# KiCad board RadCheck-SDRAM.kicad_pcb (continued)
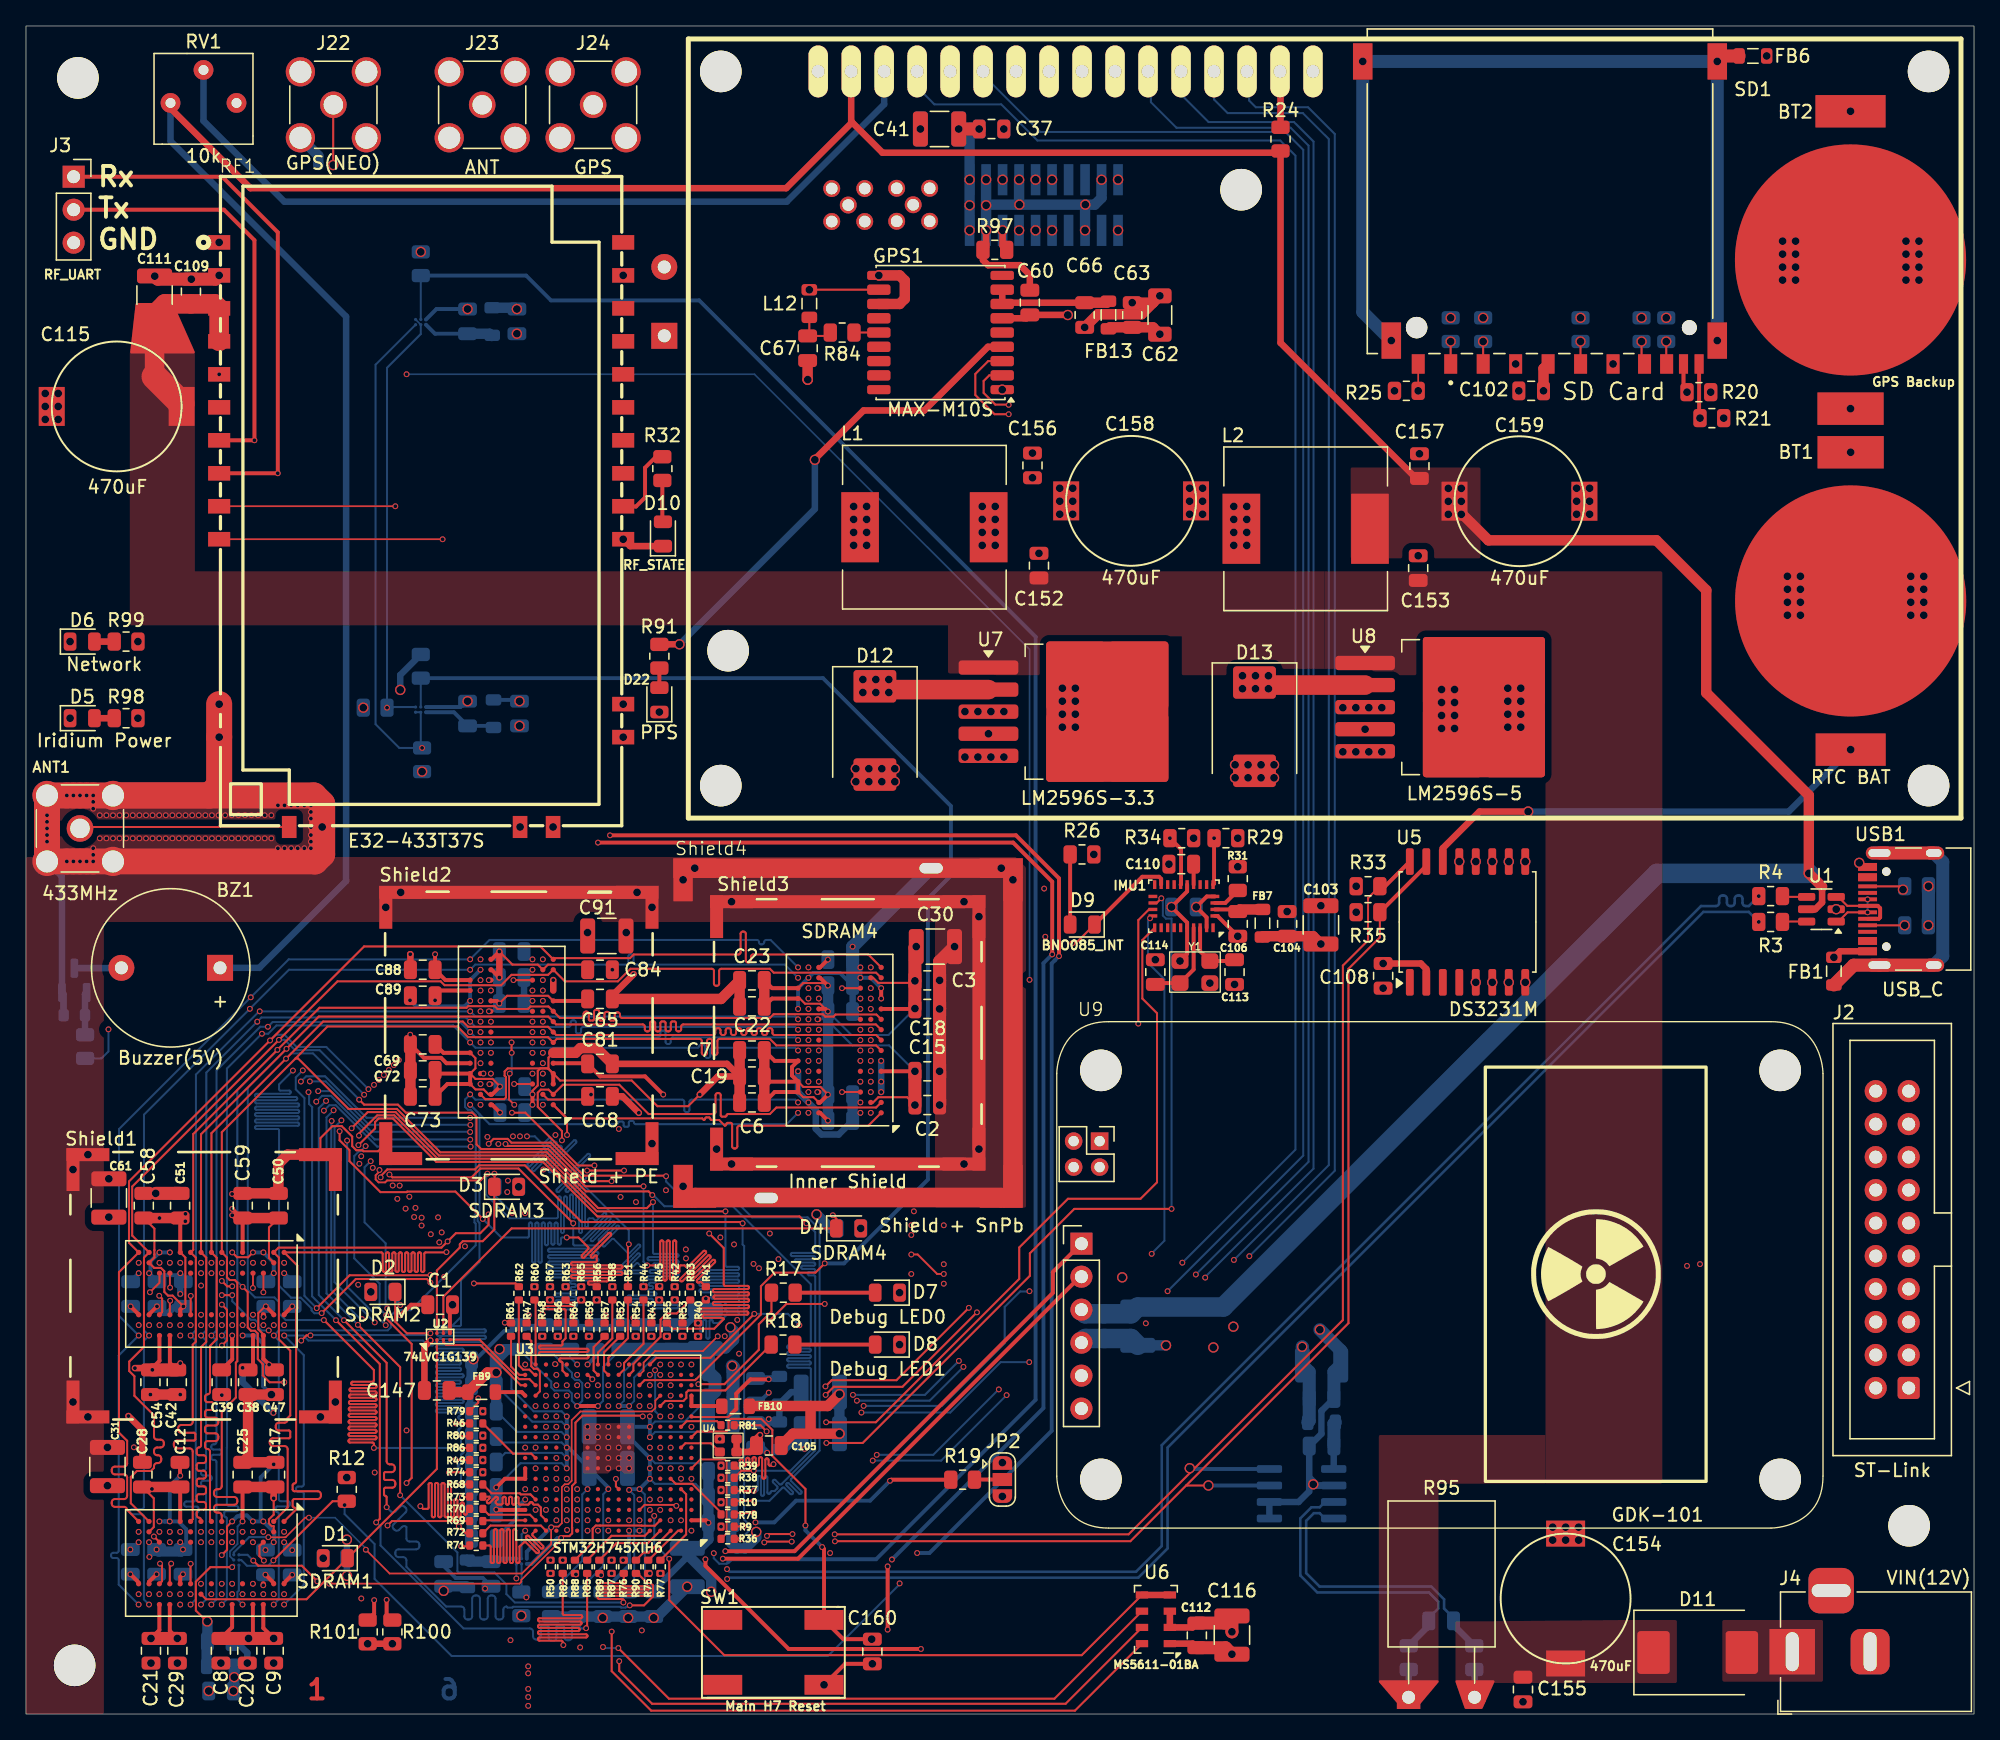
[diagram p0: board, top side]
## Routing (per net, layer and track width the routed paths; a pad name or vN(x,y) marks a point on that pad's centre or on a via; arc(x,y) is an arc through that point) (continued)
SDRAM_D1: length 174.7
  Top w0.157: v1(10.32,11.58) 10.47,11.43 10.47,10.23 SDRAM1.N7 ; v1(39.77,30.81) 39.77,30.13 ; SDRAM2.N7 10.48,30.95 10.48,31.99 v1(10.26,32.21) ; SDRAM3.N7 v1(35.64,56.52)
  In2.Cu w0.127: v1(25.82,42.95) 26.18,43.32 38.45,43.32 v1(39.83,41.93)
  In3.Cu w0.142: v1(10.32,11.58) 10.67,11.93 10.67,15.08 arc(10.62,15.19) 10.51,15.24 9.46,15.24 arc(9.35,15.29) 9.3,15.4 9.3,15.48 arc(9.35,15.59) 9.46,15.64 10.51,15.64 arc(10.62,15.69) 10.67,15.8 10.67,31.8 v1(10.26,32.21) 10.26,34.22 9.89,34.59 9.89,34.91 10.12,35.14 11.24,35.14 12.04,35.94 18.69,35.94 25.28,42.53 25.28,42.54 25.51,42.76 25.51,42.76 25.7,42.95 v1(25.82,42.95) 25.93,42.95 31.93,48.95 31.93,54 34.84,56.91 35.25,56.91 v1(35.64,56.52) 36.02,56.13 40.76,56.13 40.92,56.29 53.45,56.29 arc(53.56,56.34) 53.61,56.45 53.61,57.78 arc(53.66,57.9) 53.77,57.94 53.85,57.94 arc(53.96,57.9) 54.01,57.78 54.01,56.19 arc(54.04,56.12) 54.11,56.09 54.37,56.09 arc(54.44,56.12) 54.47,56.19 arc(54.5,56.26) 54.57,56.29 60.54,56.29 v1(60.94,55.9)
  In4.Cu w0.129: v1(39.83,41.93) 39.83,37.76 arc(39.81,37.7) 39.74,37.67 39.24,37.67 arc(39.18,37.65) 39.15,37.58 39.15,37.54 arc(39.18,37.48) 39.24,37.45 41.72,37.45 arc(41.79,37.43) 41.81,37.36 41.81,37.32 arc(41.79,37.26) 41.72,37.23 39.24,37.23 arc(39.18,37.21) 39.15,37.14 39.15,37.1 arc(39.18,37.04) 39.24,37.01 41.17,37.01 arc(41.24,36.99) 41.26,36.93 41.26,36.88 arc(41.24,36.82) 41.17,36.79 39.24,36.79 arc(39.18,36.77) 39.15,36.71 39.15,36.66 arc(39.18,36.6) 39.24,36.57 41.17,36.57 arc(41.24,36.55) 41.26,36.49 41.26,36.44 arc(41.24,36.38) 41.17,36.36 39.24,36.36 arc(39.18,36.33) 39.15,36.27 39.15,36.22 arc(39.18,36.16) 39.24,36.14 41.72,36.14 arc(41.79,36.11) 41.81,36.05 41.81,36 arc(41.79,35.94) 41.72,35.92 39.24,35.92 arc(39.18,35.89) 39.15,35.83 39.15,35.79 arc(39.18,35.72) 39.24,35.7 41.72,35.7 arc(41.79,35.67) 41.81,35.61 41.81,35.57 arc(41.79,35.5) 41.72,35.48 39.24,35.48 arc(39.18,35.45) 39.15,35.39 39.15,35.35 arc(39.18,35.28) 39.24,35.26 41.72,35.26 arc(41.79,35.23) 41.81,35.17 41.81,35.13 arc(41.79,35.07) 41.72,35.04 39.29,35.04 arc(39.23,35.01) 39.2,34.95 39.2,34.91 arc(39.23,34.85) 39.29,34.82 41.72,34.82 arc(41.79,34.79) 41.81,34.73 41.81,34.69 arc(41.79,34.63) 41.72,34.6 39.29,34.6 arc(39.23,34.58) 39.2,34.51 39.2,34.47 arc(39.23,34.41) 39.29,34.38 41.72,34.38 arc(41.79,34.36) 41.81,34.29 41.81,34.25 arc(41.79,34.19) 41.72,34.16 39.29,34.16 arc(39.23,34.14) 39.2,34.07 39.2,34.03 arc(39.23,33.97) 39.29,33.94 41.72,33.94 arc(41.79,33.92) 41.81,33.86 41.81,33.81 arc(41.79,33.75) 41.72,33.72 39.29,33.72 arc(39.23,33.7) 39.2,33.64 39.2,33.59 arc(39.23,33.53) 39.29,33.5 40.22,33.5 arc(40.29,33.48) 40.31,33.42 40.31,33.37 arc(40.29,33.31) 40.22,33.29 39.59,33.29 arc(39.53,33.26) 39.5,33.2 39.5,33.15 arc(39.53,33.09) 39.59,33.07 39.74,33.07 arc(39.81,33.04) 39.83,32.98 39.83,32.93 arc(39.81,32.87) 39.74,32.85 39.64,32.85 arc(39.58,32.82) 39.55,32.76 39.55,32.71 arc(39.58,32.65) 39.64,32.63 40.02,32.63 arc(40.09,32.6) 40.11,32.54 40.11,32.5 arc(40.09,32.43) 40.02,32.41 37.94,32.41 arc(37.88,32.38) 37.85,32.32 37.85,32.28 arc(37.88,32.21) 37.94,32.19 39.74,32.19 arc(39.81,32.16) 39.83,32.1 39.83,30.87 v1(39.77,30.81)
SDRAM_D2: length 164.6
  Top w0.157: v1(43.77,42.25) 42.52,42.25 38.46,46.31 v1(37.42,46.31) ; v1(33.08,19.58) 33.1,19.56 R49.2
  In1.Cu w0.127: v1(28.71,50.36) 30.71,48.36 34.47,48.36 35.03,47.8 35.93,47.8 v1(37.42,46.31)
  In3.Cu w0.142: v1(28.71,50.36) 23.87,55.19 v1(17.31,55.19)
  In4.Cu w0.129: v1(33.08,19.58) 33.46,19.58 33.69,19.81 33.69,27.88 35.4,29.59 43.82,29.59 44.02,29.79 44.02,30.95 44.33,31.26 44.33,41.69 v1(43.77,42.25)
  Bottom w0.157: v1(8.67,8.43) 7.14,9.96 7.14,11.86 arc(7.09,11.97) 6.98,12.02 6.71,12.02 arc(6.6,12.06) 6.55,12.18 6.55,12.26 arc(6.6,12.37) 6.71,12.42 6.98,12.42 arc(7.09,12.46) 7.14,12.58 7.14,27.61 v1(8.68,29.15) 7.16,30.67 7.16,45.05 v1(17.31,55.19) 20.23,58.12 v1(34.2,58.12) 35.69,59.61 56.28,59.61 arc(56.39,59.57) 56.44,59.45 56.44,59.44 arc(56.49,59.32) 56.6,59.28 56.68,59.28 arc(56.79,59.32) 56.84,59.44 56.84,59.45 arc(56.89,59.57) 57,59.61 57.34,59.61 v1(59.45,57.5)
SDRAM_D3: length 173.6
  In3.Cu w0.142: v1(28.78,40.69) 28.21,40.13 28.21,16.5 arc(28.24,16.43) 28.3,16.4 29.31,16.4 arc(29.37,16.38) 29.4,16.31 29.4,16.26 arc(29.37,16.2) 29.31,16.17 28.3,16.17 arc(28.24,16.14) 28.21,16.08 28.21,16.03 arc(28.24,15.97) 28.3,15.94 29.31,15.94 arc(29.37,15.91) 29.4,15.84 29.4,15.8 arc(29.37,15.73) 29.31,15.71 28.3,15.71 arc(28.24,15.68) 28.21,15.61 28.21,15.57 arc(28.24,15.5) 28.3,15.47 29.31,15.47 arc(29.37,15.45) 29.4,15.38 29.4,15.33 arc(29.37,15.27) 29.31,15.24 27.76,15.24 arc(27.7,15.21) 27.67,15.15 27.67,15.1 arc(27.7,15.04) 27.76,15.01 28.12,15.01 arc(28.18,14.98) 28.21,14.91 28.21,14.63 28.43,14.41 arc(28.45,14.35) 28.43,14.28 27.93,13.78 arc(27.9,13.72) 27.93,13.65 27.96,13.62 arc(28.03,13.59) 28.09,13.62 29.26,14.78 arc(29.32,14.81) 29.39,14.78 29.42,14.75 arc(29.45,14.68) 29.42,14.62 28.26,13.46 arc(28.23,13.39) 28.26,13.32 28.29,13.29 arc(28.36,13.26) 28.42,13.29 29.27,14.14 arc(29.33,14.16) 29.4,14.14 29.43,14.1 arc(29.46,14.04) 29.43,13.97 28.59,13.13 arc(28.56,13.06) 28.59,13 28.62,12.96 arc(28.69,12.94) 28.75,12.96 29.25,13.46 arc(29.31,13.49) 29.38,13.46 29.41,13.43 arc(29.44,13.36) 29.41,13.3 28.92,12.8 arc(28.89,12.73) 28.92,12.67 28.95,12.63 arc(29.01,12.61) 29.08,12.63 29.58,13.13 arc(29.64,13.16) 29.71,13.13 29.74,13.1 arc(29.77,13.03) 29.74,12.97 29.24,12.47 arc(29.22,12.4) 29.24,12.34 29.28,12.3 arc(29.34,12.28) 29.41,12.3 29.91,12.8 arc(29.97,12.83) 30.04,12.8 30.07,12.77 arc(30.1,12.7) 30.07,12.64 29.57,12.14 arc(29.55,12.07) 29.57,12.01 29.61,11.98 arc(29.67,11.95) 29.74,11.98 30.24,12.47 arc(30.3,12.5) 30.37,12.47 30.4,12.44 arc(30.43,12.38) 30.4,12.31 29.9,11.81 arc(29.87,11.75) 29.9,11.68 29.93,11.65 arc(30,11.62) 30.07,11.65 30.56,12.15 arc(30.63,12.17) 30.7,12.15 30.73,12.11 arc(30.76,12.05) 30.73,11.98 30.23,11.48 arc(30.2,11.42) 30.23,11.35 30.26,11.32 arc(30.33,11.29) 30.4,11.32 30.89,11.82 arc(30.96,11.84) 31.02,11.82 31.06,11.78 arc(31.08,11.72) 31.06,11.65 30.56,11.15 arc(30.53,11.09) 30.56,11.02 30.59,10.99 arc(30.66,10.96) 30.72,10.99 31.22,11.49 arc(31.29,11.51) 31.35,11.49 31.39,11.45 arc(31.41,11.39) 31.39,11.32 30.89,10.83 arc(30.86,10.76) 30.89,10.69 30.92,10.66 arc(30.99,10.63) 31.05,10.66 31.55,11.16 arc(31.62,11.19) 31.68,11.16 31.72,11.13 arc(31.74,11.06) 31.72,10.99 31.22,10.5 arc(31.19,10.43) 31.22,10.36 31.25,10.33 arc(31.32,10.3) 31.38,10.33 31.88,10.83 arc(31.95,10.86) 32.01,10.83 32.47,10.83 arc(32.53,10.8) 32.56,10.74 32.56,10.43 arc(32.59,10.37) 32.65,10.34 32.7,10.34 arc(32.76,10.37) 32.79,10.43 32.79,10.74 arc(32.82,10.8) 32.88,10.83 32.93,10.83 arc(33,10.8) 33.02,10.74 33.02,10.43 arc(33.05,10.37) 33.12,10.34 33.16,10.34 arc(33.23,10.37) 33.26,10.43 33.26,10.74 arc(33.28,10.8) 33.35,10.83 33.4,10.83 arc(33.46,10.8) 33.49,10.74 33.49,10.43 arc(33.52,10.37) 33.58,10.34 33.63,10.34 arc(33.69,10.37) 33.72,10.43 33.72,10.74 arc(33.75,10.8) 33.81,10.83 33.86,10.83 arc(33.93,10.8) 33.95,10.74 33.95,10.43 arc(33.98,10.37) 34.05,10.34 34.09,10.34 arc(34.16,10.37) 34.19,10.43 34.19,10.74 arc(34.21,10.8) 34.28,10.83 34.33,10.83 arc(34.39,10.8) 34.42,10.74 34.42,10.43 arc(34.45,10.37) 34.51,10.34 34.56,10.34 arc(34.62,10.37) 34.65,10.43 34.65,10.74 arc(34.68,10.8) 34.74,10.83 34.79,10.83 arc(34.86,10.8) 34.88,10.74 34.88,10.43 arc(34.91,10.37) 34.98,10.34 35.02,10.34 arc(35.09,10.37) 35.12,10.43 35.12,10.74 arc(35.14,10.8) 35.21,10.83 35.26,10.83 arc(35.32,10.8) 35.35,10.74 35.35,10.43 arc(35.38,10.37) 35.44,10.34 35.49,10.34 arc(35.55,10.37) 35.58,10.43 35.58,10.74 arc(35.61,10.8) 35.67,10.83 35.72,10.83 arc(35.79,10.8) 35.81,10.74 35.81,10.43 arc(35.84,10.37) 35.91,10.34 35.95,10.34 arc(36.02,10.37) 36.05,10.43 36.05,10.74 arc(36.07,10.8) 36.14,10.83 36.19,10.83 arc(36.25,10.8) 36.28,10.74 36.28,10.43 arc(36.31,10.37) 36.37,10.34 36.42,10.34 arc(36.48,10.37) 36.51,10.43 36.51,10.74 arc(36.54,10.8) 36.6,10.83 36.65,10.83 arc(36.72,10.8) 36.74,10.74 36.74,10.43 arc(36.77,10.37) 36.84,10.34 36.88,10.34 arc(36.95,10.37) 36.98,10.43 36.98,10.74 arc(37,10.8) 37.07,10.83 37.12,10.83 arc(37.18,10.8) 37.21,10.74 37.21,10.72 arc(37.24,10.66) 37.3,10.63 37.35,10.63 arc(37.41,10.66) 37.44,10.72 37.44,10.74 arc(37.47,10.8) 37.53,10.83 38.43,10.83 arc(38.49,10.8) 38.52,10.74 38.52,10.43 arc(38.55,10.37) 38.61,10.34 38.66,10.34 arc(38.73,10.37) 38.75,10.43 38.75,10.74 arc(38.78,10.8) 38.85,10.83 38.89,10.83 arc(38.96,10.8) 38.99,10.74 38.99,10.43 arc(39.01,10.37) 39.08,10.34 39.13,10.34 arc(39.19,10.37) 39.22,10.43 39.22,10.74 arc(39.25,10.8) 39.31,10.83 v1(40.39,10.83)
  In4.Cu w0.129: v1(10.27,9.23) 10.7,9.66 10.7,12.68 10.65,12.73 10.65,15.28 arc(10.61,15.39) 10.49,15.44 9.64,15.44 arc(9.53,15.49) 9.48,15.6 9.48,15.68 arc(9.53,15.79) 9.64,15.84 10.49,15.84 arc(10.61,15.89) 10.65,16 10.65,29.58 v1(10.28,29.95) 9.1,31.13 9.1,32.58 10.85,34.33 12.04,34.33 14.95,37.25 25.33,37.25 v1(28.78,40.69) 32.07,43.99 32.07,50.87 32.15,50.95 32.15,53.72 34.95,56.52 v1(35,56.52) 35.42,56.1 51.47,56.1 arc(51.58,56.15) 51.63,56.26 51.63,56.85 arc(51.67,56.96) 51.79,57.01 51.87,57.01 arc(51.98,56.96) 52.03,56.85 52.03,56 arc(52.06,55.93) 52.13,55.9 52.39,55.9 arc(52.46,55.93) 52.49,56 arc(52.52,56.07) 52.59,56.1 60.05,56.1 v1(60.25,55.9)
SDRAM_D4: length 172.1
  Top w0.157: v1(46.42,36.18) 46.35,36.11 R51.2
  In1.Cu w0.127: v1(38.58,44.49) 37.73,45.34 36.95,45.34 35.61,46.68 35.61,47.15 35.25,47.51 34.94,47.51 34.36,48.1 30.2,48.1 28.32,49.98 v1(28.32,49.98)
  In3.Cu w0.142: v1(17.24,54.31) 17.44,54.51 23.8,54.51 v1(28.32,49.98)
  Bottom w0.157: v1(59.45,56.7) 58.44,57.71 46.94,57.71 arc(46.83,57.76) 46.78,57.87 46.78,58.35 arc(46.74,58.46) 46.62,58.51 46.54,58.51 arc(46.43,58.46) 46.38,58.35 46.38,57.87 arc(46.34,57.76) 46.22,57.71 34.59,57.71 v1(34.2,57.32) 20.25,57.32 v1(17.24,54.31) 9.09,46.16 9.09,29.54 v1(9.48,29.15) 9.08,28.75 9.08,15.94 arc(9.03,15.83) 8.92,15.78 8.18,15.78 arc(8.07,15.74) 8.02,15.62 8.02,15.54 arc(8.07,15.43) 8.18,15.38 8.92,15.38 arc(9.03,15.34) 9.08,15.22 9.08,8.83 v1(9.47,8.43) ; v1(38.58,44.49) 39.18,44.49 39.73,43.94 arc(39.8,43.91) 39.87,43.94 40.29,44.37 arc(40.36,44.4) 40.43,44.37 40.47,44.33 arc(40.5,44.26) 40.47,44.19 38.63,42.35 arc(38.6,42.28) 38.63,42.21 38.66,42.18 arc(38.73,42.15) 38.8,42.18 40.68,44.06 arc(40.75,44.08) 40.82,44.06 40.85,44.02 arc(40.88,43.95) 40.85,43.88 38.98,42.01 arc(38.95,41.94) 38.98,41.87 39.01,41.83 arc(39.08,41.8) 39.15,41.83 41.06,43.74 arc(41.13,43.77) 41.2,43.74 41.24,43.71 arc(41.26,43.64) 41.24,43.57 40.07,42.4 arc(40.04,42.33) 40.07,42.26 40.1,42.22 arc(40.17,42.2) 40.24,42.22 42.19,44.17 arc(42.26,44.2) 42.33,44.17 42.36,44.14 arc(42.39,44.07) 42.36,44 40.27,41.91 arc(40.25,41.84) 40.27,41.77 40.31,41.73 arc(40.38,41.71) 40.45,41.73 41.12,42.41 arc(41.19,42.44) 41.26,42.41 41.82,41.85 arc(41.89,41.82) 41.96,41.85 43.24,43.12 arc(43.31,43.15) 43.38,43.12 43.41,43.09 arc(43.44,43.02) 43.41,42.95 40.87,40.4 arc(40.84,40.33) 40.87,40.26 40.9,40.22 arc(40.97,40.2) 41.04,40.22 42.6,41.78 arc(42.67,41.81) 42.74,41.78 42.77,41.75 arc(42.8,41.68) 42.77,41.61 41.57,40.4 arc(41.54,40.33) 41.57,40.26 41.6,40.23 arc(41.67,40.2) 41.74,40.23 42.95,41.43 arc(43.02,41.46) 43.09,41.43 43.12,41.4 arc(43.15,41.33) 43.12,41.26 42.27,40.41 arc(42.24,40.34) 42.27,40.27 42.3,40.23 arc(42.37,40.2) 42.44,40.23 42.87,40.66 arc(42.94,40.69) 43.01,40.66 46.42,37.25 v1(46.42,36.18)
SDRAM_D5: length 171.7
  Top w0.157: v1(45.78,30.81) 45.78,30.14
  In3.Cu w0.129: v1(28.6,39.67) 29.14,40.22 30.3,40.22 30.7,39.82 41.95,39.82 arc(42.02,39.84) 42.04,39.9 42.04,41.59 arc(42.07,41.65) 42.13,41.67 42.17,41.67 arc(42.23,41.65) 42.26,41.59 42.26,39.9 arc(42.29,39.84) 42.35,39.82 42.39,39.82 arc(42.45,39.84) 42.48,39.9 42.48,41.59 arc(42.51,41.65) 42.57,41.67 42.61,41.67 arc(42.67,41.65) 42.7,41.59 42.7,39.9 arc(42.72,39.84) 42.79,39.82 42.83,39.82 arc(42.89,39.84) 42.92,39.9 42.92,41.24 arc(42.94,41.3) 43.01,41.32 43.05,41.32 arc(43.11,41.3) 43.14,41.24 43.14,39.9 arc(43.16,39.84) 43.23,39.82 43.27,39.82 arc(43.33,39.84) 43.36,39.9 43.36,41.29 arc(43.38,41.35) 43.44,41.37 43.49,41.37 arc(43.55,41.35) 43.58,41.29 43.58,39.9 arc(43.6,39.84) 43.66,39.82 43.71,39.82 arc(43.77,39.84) 43.8,39.9 43.8,41.59 arc(43.82,41.65) 43.88,41.67 43.93,41.67 arc(43.99,41.65) 44.01,41.59 44.01,39.9 arc(44.04,39.84) 44.1,39.82 44.15,39.82 arc(44.21,39.84) 44.23,39.9 44.23,41.59 arc(44.26,41.65) 44.32,41.67 44.37,41.67 arc(44.43,41.65) 44.45,41.59 44.45,39.9 arc(44.48,39.84) 44.54,39.82 44.58,39.82 arc(44.65,39.84) 44.67,39.9 44.67,40.49 arc(44.7,40.55) 44.76,40.57 44.8,40.57 arc(44.87,40.55) 44.89,40.49 44.89,39.9 arc(44.92,39.84) 44.98,39.82 45.02,39.82 arc(45.09,39.84) 45.11,39.9 45.11,40.44 arc(45.14,40.5) 45.2,40.52 45.24,40.52 arc(45.3,40.5) 45.33,40.44 45.33,39.9 arc(45.36,39.84) 45.42,39.82 v1(45.78,39.82)
  In4.Cu w0.129: v1(45.78,30.81) 45.78,31.18 arc(45.75,31.24) 45.69,31.27 44.98,31.27 arc(44.91,31.29) 44.89,31.36 44.89,31.4 arc(44.91,31.46) 44.98,31.49 45.69,31.49 arc(45.75,31.51) 45.78,31.58 45.78,31.62 arc(45.75,31.68) 45.69,31.71 44.98,31.71 arc(44.91,31.73) 44.89,31.8 44.89,31.84 arc(44.91,31.9) 44.98,31.93 45.69,31.93 arc(45.75,31.95) 45.78,32.01 45.78,32.06 arc(45.75,32.12) 45.69,32.15 44.98,32.15 arc(44.91,32.17) 44.89,32.23 44.89,32.28 arc(44.91,32.34) 44.98,32.37 45.69,32.37 arc(45.75,32.39) 45.78,32.45 45.78,32.5 arc(45.75,32.56) 45.69,32.59 45.63,32.59 arc(45.56,32.61) 45.54,32.67 45.54,32.72 arc(45.56,32.78) 45.63,32.8 45.69,32.8 arc(45.75,32.83) 45.78,32.89 45.78,32.94 arc(45.75,33) 45.69,33.02 45.63,33.02 arc(45.56,33.05) 45.54,33.11 45.54,33.16 arc(45.56,33.22) 45.63,33.24 45.69,33.24 arc(45.75,33.27) 45.78,33.33 45.78,33.37 arc(45.75,33.44) 45.69,33.46 45.38,33.46 arc(45.31,33.49) 45.29,33.55 45.29,33.59 arc(45.31,33.66) 45.38,33.68 45.69,33.68 arc(45.75,33.71) 45.78,33.77 45.78,33.81 arc(45.75,33.88) 45.69,33.9 45.38,33.9 arc(45.31,33.93) 45.29,33.99 45.29,34.03 arc(45.31,34.09) 45.38,34.12 45.69,34.12 arc(45.75,34.15) 45.78,34.21 45.78,34.25 arc(45.75,34.31) 45.69,34.34 45.38,34.34 arc(45.31,34.37) 45.29,34.43 45.29,34.47 arc(45.31,34.53) 45.38,34.56 45.69,34.56 arc(45.75,34.58) 45.78,34.65 45.78,34.69 arc(45.75,34.75) 45.69,34.78 45.38,34.78 arc(45.31,34.8) 45.29,34.87 45.29,34.91 arc(45.31,34.97) 45.38,35 45.69,35 arc(45.75,35.02) 45.78,35.09 45.78,35.13 arc(45.75,35.19) 45.69,35.22 45.38,35.22 arc(45.31,35.24) 45.29,35.3 45.29,35.35 arc(45.31,35.41) 45.38,35.44 45.69,35.44 arc(45.75,35.46) 45.78,35.52 45.78,35.57 arc(45.75,35.63) 45.69,35.66 45.38,35.66 arc(45.31,35.68) 45.29,35.74 45.29,35.79 arc(45.31,35.85) 45.38,35.87 45.93,35.87 arc(46,35.9) 46.02,35.96 46.02,36.01 arc(46,36.07) 45.93,36.09 45.38,36.09 arc(45.31,36.12) 45.29,36.18 45.29,36.23 arc(45.31,36.29) 45.38,36.31 45.98,36.31 arc(46.05,36.34) 46.07,36.4 46.07,36.44 arc(46.05,36.51) 45.98,36.53 45.38,36.53 arc(45.31,36.56) 45.29,36.62 45.29,36.66 arc(45.31,36.73) 45.38,36.75 46.33,36.75 arc(46.4,36.78) 46.42,36.84 46.42,36.88 arc(46.4,36.95) 46.33,36.97 45.38,36.97 arc(45.31,37) 45.29,37.06 45.29,37.1 arc(45.31,37.16) 45.38,37.19 46.63,37.19 arc(46.7,37.22) 46.72,37.28 46.72,37.32 arc(46.7,37.38) 46.63,37.41 45.38,37.41 arc(45.31,37.44) 45.29,37.5 45.29,37.54 arc(45.31,37.6) 45.38,37.63 46.63,37.63 arc(46.7,37.65) 46.72,37.72 46.72,37.76 arc(46.7,37.82) 46.63,37.85 45.38,37.85 arc(45.31,37.87) 45.29,37.94 45.29,37.98 arc(45.31,38.04) 45.38,38.07 46.63,38.07 arc(46.7,38.09) 46.72,38.16 46.72,38.2 arc(46.7,38.26) 46.63,38.29 45.38,38.29 arc(45.31,38.31) 45.29,38.37 45.29,38.42 arc(45.31,38.48) 45.38,38.51 46.63,38.51 arc(46.7,38.53) 46.72,38.59 46.72,38.64 arc(46.7,38.7) 46.63,38.73 45.38,38.73 arc(45.31,38.75) 45.29,38.81 45.29,38.86 arc(45.31,38.92) 45.38,38.94 46.63,38.94 arc(46.7,38.97) 46.72,39.03 46.72,39.08 arc(46.7,39.14) 46.63,39.16 45.87,39.16 arc(45.81,39.19) 45.78,39.25 v1(45.78,39.82) ; v1(11.07,9.23) 11.56,9.72 11.56,12.97 11.46,13.07 11.46,16.76 arc(11.41,16.87) 11.3,16.92 11.11,16.92 arc(11,16.96) 10.95,17.08 10.95,17.16 arc(11,17.27) 11.11,17.32 12.01,17.32 arc(12.12,17.36) 12.17,17.48 12.17,17.56 arc(12.12,17.67) 12.01,17.72 11.62,17.72 arc(11.51,17.76) 11.46,17.88 11.46,29.57 v1(11.08,29.95) 10.66,30.37 10.66,32.94 10.94,33.22 11.73,33.22 13.1,34.59 13.1,34.91 13.32,35.13 13.64,35.13 13.72,35.04 15.71,37.03 25.95,37.03 v1(28.6,39.67) 32.29,43.37 32.29,50.78 32.37,50.86 32.37,53.63 34.04,55.3 34.58,55.3 v1(35,55.72) 35.42,55.3 46.07,55.3 arc(46.18,55.35) 46.23,55.46 46.23,55.6 arc(46.28,55.71) 46.39,55.76 46.47,55.76 arc(46.58,55.71) 46.63,55.6 46.63,55.15 arc(46.67,55.04) 46.78,55 46.88,55 arc(46.98,55.04) 47.03,55.15 47.03,55.6 arc(47.08,55.71) 47.19,55.76 47.27,55.76 arc(47.38,55.71) 47.43,55.6 47.43,55.46 arc(47.48,55.35) 47.59,55.3 60.05,55.3 v1(60.25,55.1)
SDRAM_D6: length 175.3
  Top w0.157: v1(50.54,30.69) 50.54,30.12 ; SDRAM1.M7 11.07,11.48 v1(11.18,11.58) ; SDRAM2.M7 11.08,31.81 v1(11.1,31.83)
  In2.Cu w0.127: v1(50.54,30.69) 50.35,30.88 arc(50.32,30.94) 50.35,31 51.63,32.29 arc(51.66,32.35) 51.63,32.41 51.6,32.44 arc(51.54,32.47) 51.48,32.44 48.79,29.75 arc(48.73,29.72) 48.67,29.75 48.64,29.78 arc(48.61,29.84) 48.64,29.9 50.06,31.33 arc(50.09,31.39) 50.06,31.45 50.03,31.48 arc(49.97,31.51) 49.91,31.48 48.48,30.06 arc(48.42,30.03) 48.36,30.06 48.33,30.09 arc(48.3,30.15) 48.33,30.21 49.61,31.49 arc(49.64,31.56) 49.61,31.62 49.58,31.65 arc(49.52,31.67) 49.46,31.65 48.78,30.96 arc(48.72,30.94) 48.66,30.96 48.62,30.99 arc(48.6,31.06) 48.62,31.12 49.87,32.36 arc(49.89,32.42) 49.87,32.48 49.84,32.51 arc(49.77,32.54) 49.71,32.51 49.28,32.08 arc(49.22,32.05) 49.15,32.08 49.12,32.11 arc(49.1,32.17) 49.12,32.23 49.56,32.66 arc(49.59,32.73) 49.56,32.79 49.53,32.82 arc(49.47,32.84) 49.41,32.82 48.97,32.38 arc(48.91,32.36) 48.85,32.38 48.82,32.41 arc(48.76,32.44) 48.7,32.41 47.41,31.13 arc(47.35,31.1) 47.29,31.13 47.26,31.16 arc(47.23,31.22) 47.26,31.28 48.54,32.57 arc(48.57,32.63) 48.54,32.69 48.51,32.72 arc(48.45,32.74) 48.39,32.72 47.1,31.43 arc(47.04,31.41) 46.98,31.43 46.95,31.46 arc(46.93,31.53) 46.95,31.59 48.38,33.01 arc(48.4,33.07) 48.38,33.14 48.35,33.17 arc(48.29,33.19) 48.22,33.17 48.21,33.15 arc(48.14,33.12) 48.08,33.15 47.86,33.37 arc(47.8,33.39) 47.74,33.37 47.7,33.32 arc(47.63,33.29) 47.57,33.32 47.54,33.35 arc(47.52,33.41) 47.54,33.47 47.59,33.52 arc(47.61,33.58) 47.59,33.64 47.56,33.67 arc(47.5,33.7) 47.44,33.67 46.15,32.39 arc(46.09,32.36) 46.03,32.39 46,32.42 arc(45.97,32.48) 46,32.54 47.28,33.83 arc(47.31,33.89) 47.28,33.95 47.25,33.98 arc(47.19,34) 47.13,33.98 45.85,32.7 arc(45.78,32.67) 45.72,32.7 45.69,32.73 arc(45.67,32.79) 45.69,32.85 46.98,34.13 arc(47,34.19) 46.98,34.25 46.95,34.28 arc(46.88,34.31) 46.82,34.28 45.65,33.11 arc(45.58,33.08) 45.52,33.11 45.49,33.14 arc(45.47,33.2) 45.49,33.26 46.67,34.44 arc(46.7,34.5) 46.67,34.56 46.64,34.59 arc(46.58,34.62) 46.52,34.59 45.27,33.34 arc(45.21,33.32) 45.15,33.34 45.12,33.37 arc(45.09,33.43) 45.12,33.5 46.36,34.74 arc(46.39,34.81) 46.36,34.87 46.33,34.9 arc(46.27,34.92) 46.21,34.9 44.93,33.61 arc(44.87,33.59) 44.8,33.61 44.77,33.64 arc(44.75,33.71) 44.77,33.77 46.06,35.05 arc(46.08,35.11) 46.06,35.17 46.03,35.2 arc(45.97,35.23) 45.9,35.2 44.62,33.92 arc(44.56,33.89) 44.5,33.92 44.47,33.95 arc(44.44,34.01) 44.47,34.07 45.75,35.36 arc(45.78,35.42) 45.75,35.48 45.72,35.51 arc(45.66,35.53) 45.6,35.51 44.31,34.23 arc(44.25,34.2) 44.19,34.23 44.16,34.26 arc(44.14,34.32) 44.16,34.38 45.45,35.66 arc(45.47,35.72) 45.45,35.79 38.14,43.09 26.51,43.09 26.16,42.74 25.8,42.38 v1(25.67,42.38)
  In3.Cu w0.142: v1(11.18,11.58) 11.47,11.87 11.47,15.13 arc(11.42,15.24) 11.31,15.29 11.15,15.29 arc(11.04,15.33) 10.99,15.45 10.99,15.53 arc(11.04,15.64) 11.15,15.69 12.53,15.69 arc(12.64,15.73) 12.69,15.85 12.69,15.93 arc(12.64,16.04) 12.53,16.09 11.63,16.09 arc(11.51,16.13) 11.47,16.25 11.47,31.46 v1(11.1,31.83) 11.1,32.23 12.27,33.4 12.27,34.08 13.32,35.14 18.41,35.14 25.65,42.38 v1(25.67,42.38) 25.78,42.38 32.4,48.99 32.4,53.67 34.04,55.31 35.39,55.31 v1(35.8,55.72) 36.19,55.33 40.76,55.33 40.91,55.49 46.97,55.49 arc(47.08,55.53) 47.13,55.65 47.13,55.75 arc(47.17,55.87) 47.29,55.91 47.37,55.91 arc(47.48,55.87) 47.53,55.75 47.53,54.42 arc(47.57,54.31) 47.69,54.26 47.77,54.26 arc(47.88,54.31) 47.93,54.42 47.93,55.33 arc(47.97,55.44) 48.09,55.49 60.66,55.49 v1(61.05,55.1)
SDRAM_D7: length 170
  Top w0.157: v1(46.78,30.5) 46.78,30.28
  In3.Cu w0.142: v1(46.97,39.43) 30.71,39.43 30.3,39.84 v1(29.52,39.84)
  In4.Cu w0.129: v1(46.97,39.43) 46.97,37.01 arc(47,36.94) 47.06,36.92 48.48,36.92 arc(48.54,36.89) 48.56,36.83 48.56,36.79 arc(48.54,36.73) 48.48,36.7 46.71,36.7 arc(46.65,36.67) 46.63,36.61 46.63,36.57 arc(46.65,36.51) 46.71,36.48 48.48,36.48 arc(48.54,36.45) 48.56,36.39 48.56,36.35 arc(48.54,36.29) 48.48,36.26 47.06,36.26 arc(47,36.24) 46.97,36.17 46.97,36.13 arc(47,36.07) 47.06,36.04 48.48,36.04 arc(48.54,36.02) 48.56,35.95 48.56,35.91 arc(48.54,35.85) 48.48,35.82 46.61,35.82 arc(46.55,35.8) 46.53,35.73 46.53,35.69 arc(46.55,35.63) 46.61,35.6 48.48,35.6 arc(48.54,35.58) 48.56,35.52 48.56,35.47 arc(48.54,35.41) 48.48,35.38 46.11,35.38 arc(46.05,35.36) 46.03,35.3 46.03,35.25 arc(46.05,35.19) 46.11,35.16 48.48,35.16 arc(48.54,35.14) 48.56,35.08 48.56,35.03 arc(48.54,34.97) 48.48,34.95 46.11,34.95 arc(46.05,34.92) 46.03,34.86 46.03,34.81 arc(46.05,34.75) 46.11,34.73 47.33,34.73 arc(47.39,34.7) 47.41,34.64 47.41,34.59 arc(47.39,34.53) 47.33,34.51 46.11,34.51 arc(46.05,34.48) 46.03,34.42 46.03,34.37 arc(46.05,34.31) 46.11,34.29 47.48,34.29 arc(47.54,34.26) 47.56,34.2 47.56,34.16 arc(47.54,34.09) 47.48,34.07 46.11,34.07 arc(46.05,34.04) 46.03,33.98 46.03,33.94 arc(46.05,33.87) 46.11,33.85 48.48,33.85 arc(48.54,33.82) 48.56,33.76 48.56,33.72 arc(48.54,33.65) 48.48,33.63 46.11,33.63 arc(46.05,33.6) 46.03,33.54 46.03,33.5 arc(46.05,33.44) 46.11,33.41 47.23,33.41 arc(47.29,33.38) 47.31,33.32 47.31,33.28 arc(47.29,33.22) 47.23,33.19 46.11,33.19 arc(46.05,33.16) 46.03,33.1 46.03,33.06 arc(46.05,33) 46.11,32.97 47.08,32.97 arc(47.14,32.95) 47.17,32.88 47.17,32.84 arc(47.14,32.78) 47.08,32.75 46.11,32.75 arc(46.05,32.73) 46.03,32.66 46.03,32.62 arc(46.05,32.56) 46.11,32.53 47.48,32.53 arc(47.54,32.51) 47.56,32.45 47.56,32.4 arc(47.54,32.34) 47.48,32.31 46.11,32.31 arc(46.05,32.29) 46.03,32.23 46.03,32.18 arc(46.05,32.12) 46.11,32.09 48.28,32.09 arc(48.34,32.07) 48.36,32.01 48.36,31.96 arc(48.34,31.9) 48.28,31.87 46.11,31.87 arc(46.05,31.85) 46.03,31.79 46.03,31.74 arc(46.05,31.68) 46.11,31.66 48.38,31.66 arc(48.44,31.63) 48.46,31.57 48.46,31.52 arc(48.44,31.46) 48.38,31.44 46.11,31.44 arc(46.05,31.41) 46.03,31.35 46.03,31.3 arc(46.05,31.24) 46.11,31.22 47.83,31.22 arc(47.89,31.19) 47.91,31.13 47.91,31.09 arc(47.89,31.02) 47.83,31 46.26,31 arc(46.2,30.97) 46.18,30.91 46.18,30.87 arc(46.2,30.8) 46.26,30.78 46.88,30.78 arc(46.94,30.75) 46.97,30.69 v1(46.78,30.5) ; v1(11.87,9.23) 12.47,9.83 12.47,10.93 12.25,11.15 12.25,12.29 12.47,12.51 12.47,18.57 arc(12.42,18.69) 12.31,18.73 11.95,18.73 arc(11.84,18.78) 11.79,18.89 11.79,18.97 arc(11.84,19.09) 11.95,19.13 12.6,19.13 arc(12.69,19.17) 12.73,19.26 12.73,19.4 arc(12.69,19.49) 12.6,19.53 arc(12.51,19.57) 12.47,19.66 12.47,25.43 12.76,25.72 12.76,28.49 12.26,28.99 12.26,29.57 v1(11.88,29.95) 11.5,30.33 11.5,32.51 13.32,34.33 13.66,34.33 13.9,34.57 13.9,34.91 15.8,36.81 26.49,36.81 v1(29.52,39.84) 32.5,42.82 32.5,50.69 33.38,51.56 33.38,53.83 34.05,54.49 34.57,54.49 v1(35,54.92) 35.44,54.92 36.02,54.34 39.76,54.34 40.1,54.68 48.84,54.68 arc(48.95,54.72) 49,54.83 arc(49.04,54.94) 49.15,54.98 49.25,54.98 arc(49.36,54.94) 49.4,54.83 49.4,54.38 arc(49.45,54.27) 49.56,54.22 49.64,54.22 arc(49.76,54.27) 49.8,54.38 49.8,54.83 arc(49.85,54.94) 49.96,54.98 50.05,54.98 arc(50.16,54.94) 50.2,54.83 arc(50.25,54.72) 50.36,54.68 59.87,54.68 v1(60.25,54.3)
SDRAM_D8: length 174.4
  Top w0.157: v1(52.61,37.01) 53.73,35.89 53.73,33.07 arc(53.76,33) 53.83,32.97 55.57,32.97 arc(55.64,32.94) 55.67,32.88 55.67,32.83 arc(55.64,32.76) 55.57,32.73 52.99,32.73 arc(52.92,32.7) 52.89,32.63 52.89,32.58 arc(52.92,32.51) 52.99,32.48 55.57,32.48 arc(55.64,32.45) 55.67,32.38 55.67,32.33 arc(55.64,32.26) 55.57,32.23 53.04,32.23 arc(52.97,32.21) 52.94,32.14 52.94,32.09 arc(52.97,32.02) 53.04,31.99 55.57,31.99 arc(55.64,31.96) 55.67,31.89 55.67,31.84 arc(55.64,31.77) 55.57,31.74 52.99,31.74 arc(52.92,31.71) 52.89,31.64 52.89,31.59 arc(52.92,31.52) 52.99,31.49 55.57,31.49 arc(55.64,31.47) 55.67,31.4 55.67,31.35 arc(55.64,31.28) 55.57,31.25 51.89,31.25 arc(51.82,31.22) 51.79,31.15 51.79,31.1 arc(51.82,31.03) 51.89,31 55.52,31 arc(55.59,30.97) 55.62,30.9 55.62,30.85 arc(55.59,30.78) 55.52,30.76 52.19,30.76 arc(52.12,30.73) 52.09,30.66 52.09,30.61 arc(52.12,30.54) 52.19,30.51 53.63,30.51 arc(53.7,30.48) 53.73,30.41 52.99,29.67 49.79,29.67 R55.2
  In1.Cu w0.127: 54.11,54.68 64.67,54.68 v1(65.05,54.3) ; 49.05,54.68 40.04,54.68 v1(39.8,54.92) 39.38,55.34 28.48,55.34 v1(21.86,48.72) 11.88,38.74 v1(11.88,34.75) 11.5,34.37 11.5,22.39 ; 11.5,15.12 11.5,14.41 v1(11.87,14.03)